# Altium PCB relay_matrix.PcbDoc (part 7 of 9)
Units mm, origin at the board's own origin, x right, y up, seen from the top; angles counter-clockwise.
Board outline 330 x 220 mm, 2 copper layers (Top Layer, Bottom Layer); 498 components, 345 nets, 2134 pads, 717 vias.
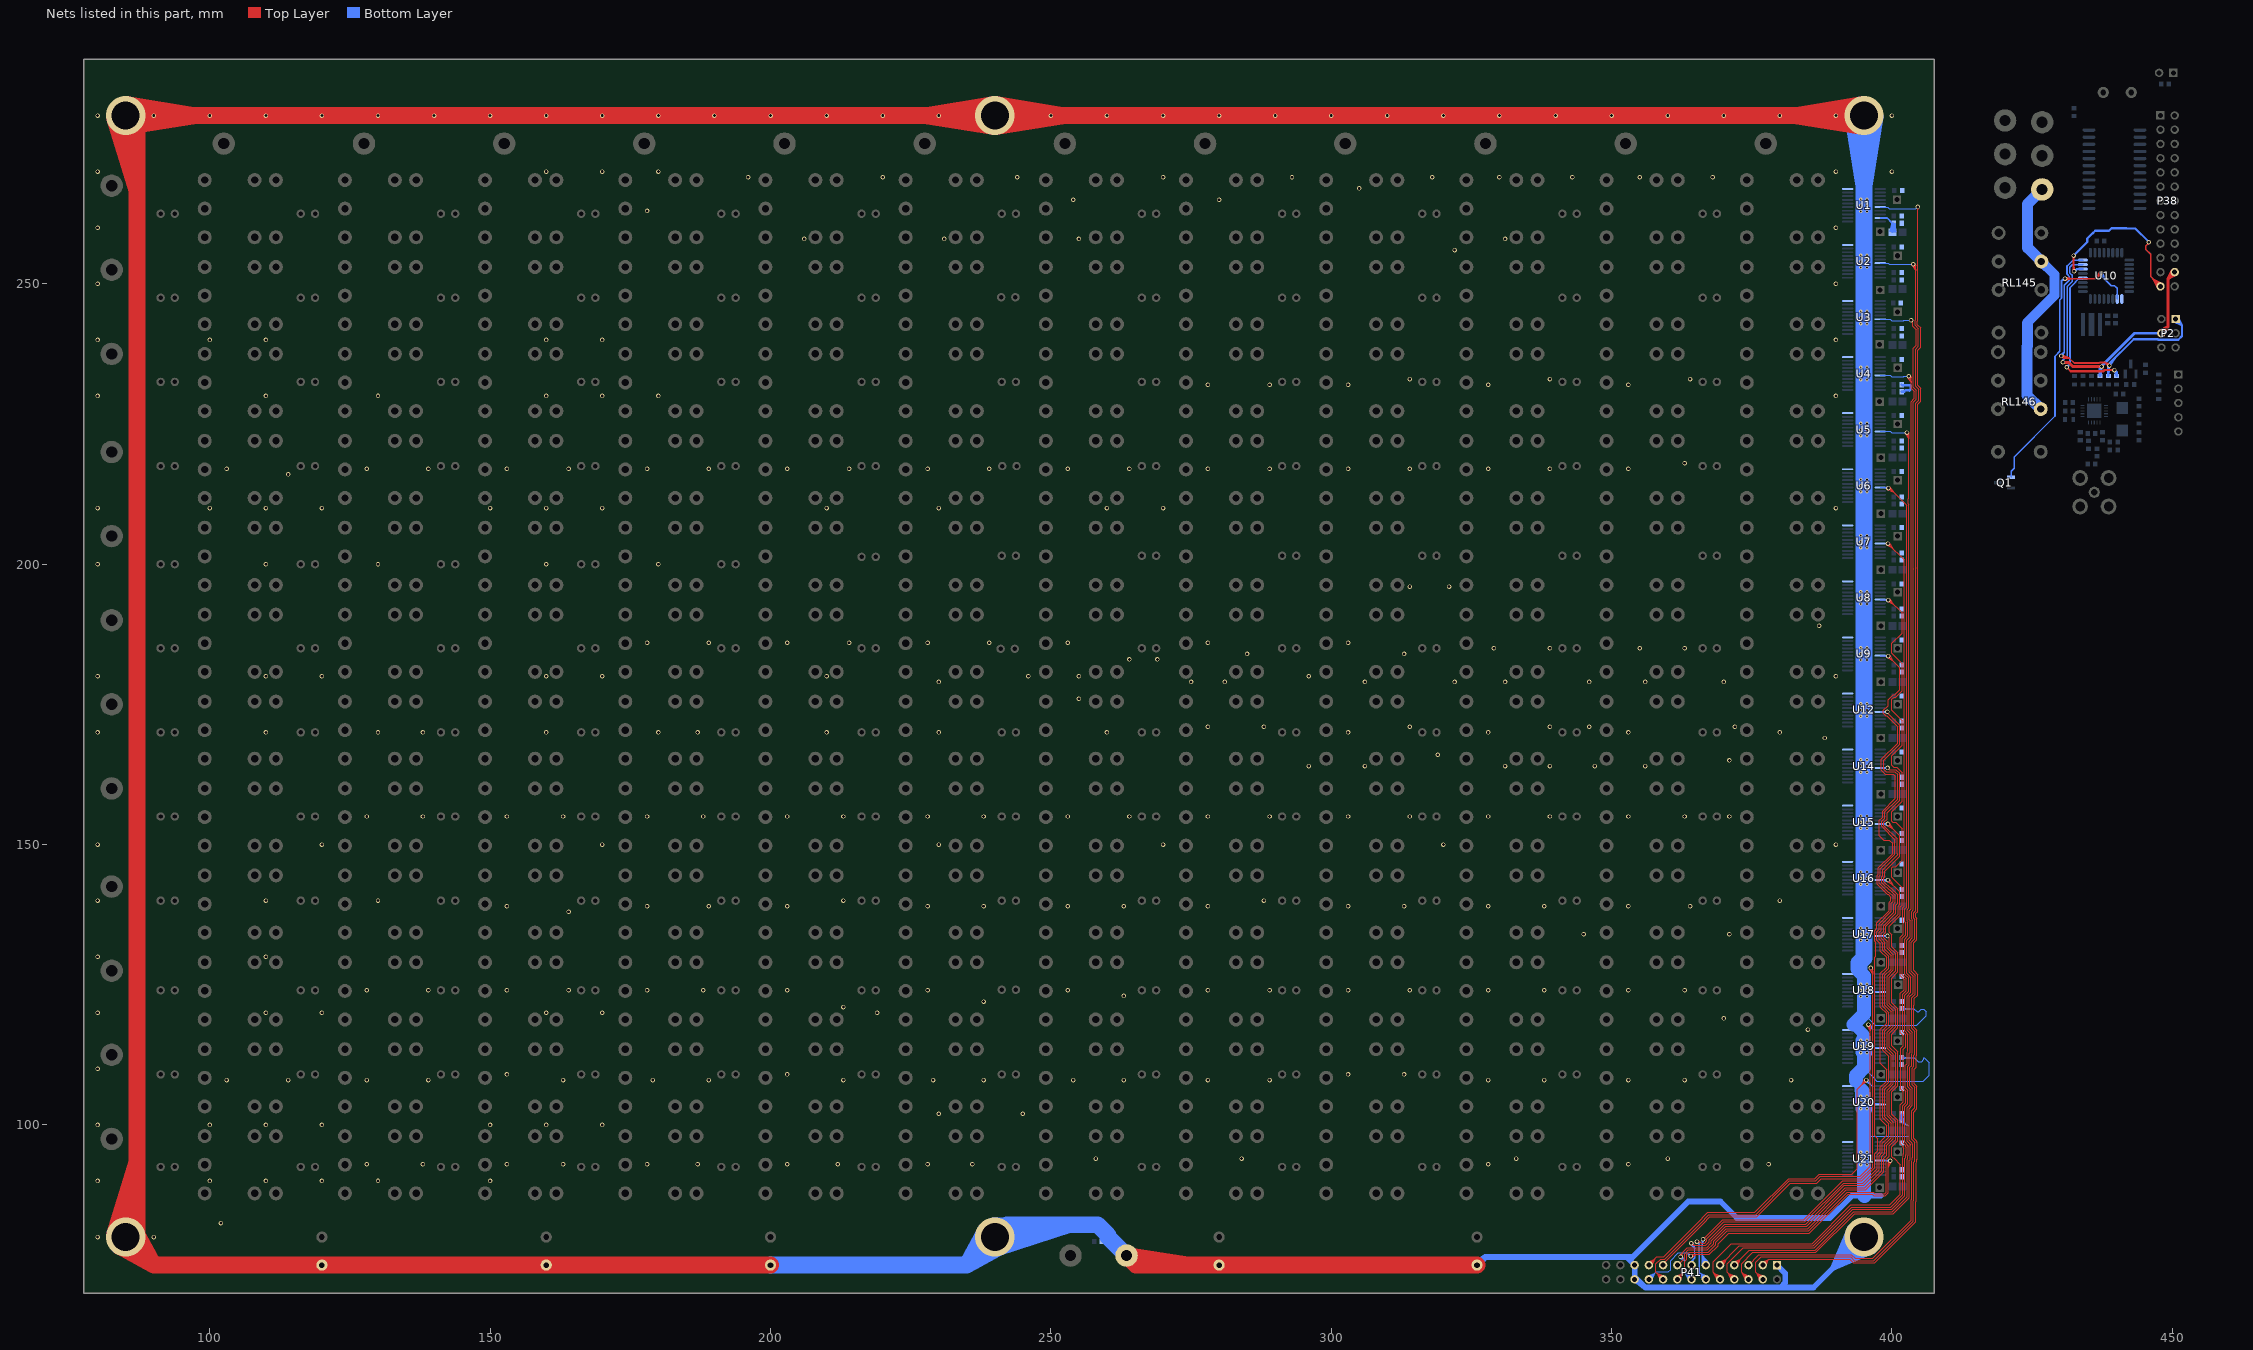
[diagram p7: the nets of this part, all layers, seen from the top]

## Via types
v1: diameter 0.8, hole 0.5, Top Layer to Bottom Layer, 477 vias
v2: diameter 0.8, hole 0.5, Top Layer to Bottom Layer, tented both sides, 122 vias
v3: diameter 0.6, hole 0.3, Top Layer to Bottom Layer, 112 vias
v4: diameter 7, hole 5, Top Layer to Bottom Layer, 6 vias

## Nets (pads, with @x,y where several pads share a name; then routed paths per layer and width w, separated by ;. In a path a pad name is that pad's centre, name@x,y a point inside that pad or via, vN(x,y) a via of type N, cw(c..) or ccw(c..) an arc to the next point about the centre after c; other vN are vias at no path point) (continued)
GND: C1.1 C2.1 C3.1 C4.1 C5.2 C6.1 C7.1 C8.1 C9.1 C10.2 C11.1 C12.2 C13.2 C14.2 C15.2 C24.1 C36.1 C37.1 C38.1 C39.1 C40.1 C41.1 C42.1 C43.1 C44.1 C45.1 C46.1 C47.1 C48.1 C49.1 C50.1 C51.1 C52.1 C53.1 C54.1 C55.1 C56.1 C57.1 C58.1 C59.1 C60.1 C61.1 C62.1 C63.1 C64.1 C65.1 C66.1 C67.1 C68.1 C69.1 C70.1 C71.1 C72.1 C73.1 C74.1 C75.1 C76.1 C77.1 C78.1 C79.1 J26.1 P41.1 P41.21 P41.22 U1.10 U1.21 U2.10 U2.21 U3.10 U3.21 U4.10 U4.21 U5.10 U5.21 U6.10 U6.21 U7.10 U7.21 U8.10 U8.21 U9.10 U9.21 U12.10 U12.21 U14.10 U14.21 U15.10 U15.21 U16.10 U16.21 U17.10 U17.21 U18.10 U18.21 U19.10 U19.21 U20.10 U20.21 U21.10 U21.21 | length 2169.8
  Top Layer w3: v4@83.049,80.438 87,93.472 ; v4@83.049,279.562 87,266.528 ; v4@83.8,78.4 90,75 ; v4@85.16,278.006 97.5,280 v4@85.16,281.994 ; v4@86.6,81.2 90,75 ; v4@86.995,79.852 87,93.472 ; v4@86.995,280.148 87,266.528 ; C13.2@200,75 C12.2@160,75 C10.2@120,75 90,75 ; v4@239.84,278.006 227.5,280 v4@239.84,281.994 ; v4@240.16,278.006 252.5,280 v4@240.16,281.994 ; 274.996,75 J26.1@263.5,76.7 265.2,75 C15.2@280,75 C14.2@326,75 ; v4@394.84,278.006 382.5,280 v4@394.84,281.994 ; v4(395,280) v4(240,280) v4(85,280) ; v4(85,80) 87,93.472 ; v4(85,80) 90,75 ; v4(85,80) 87,82 87,278 v4(85,280) ; v4(85,280) 87,266.528
  Bottom Layer w0.2: 395,97.9 395.05,97.95 398.874,97.95 398.924,98 402.9,98 ; 395,110.216 396.95,108.266 396.95,108.126 397.326,107.75 405.56,107.75 406.65,108.84 406.65,111.1 405.75,112 405.7,111.95 405.7,111.71 405.29,111.3 404.71,111.3 404.01,112 C69.1@401.7,112 ; 395,119.8 397,117.8 404.389,117.8 406.099,119.51 406.099,120.199 ; C74.1@401.402,100.767 C76.1@401.44,101.786 ; C76.1@401.403,101.905 C74.1@401.7,100.95 ; C74.1@401.424,100.918 C76.1@401.96,101.786 ; C74.1@401.53,100.453 402.45,100 ; C74.1@401.7,100.7 402.45,100 ; C76.1@401.7,101.95 C74.1@401.7,100.95 ; C76.1@401.7,102 C74.1@401.7,100.75 402.45,100 ; C64.1@401.7,120.75 403.859,120.75 404.469,120.14 404.729,120.14 405.189,120.6 405.7,120.6 406.1,120.2 ; C69.1@401.745,111.703 402.7,112 C69.1@401.745,112.297 ; C64.1@401.745,120.453 402.7,120.75 C64.1@401.745,121.047 ; C74.1@401.935,100.887 402.45,100 ; C74.1@401.976,100.918 C76.1@401.44,101.786 ; C76.1@401.997,101.905 C74.1@401.7,100.95 ; C74.1@401.998,100.767 C76.1@401.96,101.786 ; 402.9,99.824 402.724,100 402.45,100 ; C76.1@401.44,101.786 C74.1@401.7,100.8 ; C74.1@401.7,100.8 C76.1@401.7,101.8 ; C74.1@401.7,100.8 C76.1@401.96,101.786 ; C74.1@401.7,100.8 C76.1@401.7,101.8 ; C76.1@401.7,101.8 401.997,100.845 C76.1@401.7,101.8 ; C76.1@401.7,101.8 401.403,100.845 C76.1@401.7,101.8
  Bottom Layer w0.4: C4.1@401.7,230.8 402.419,231 ; C9.1@401.7,231.95 403.3,231.9 ; C9.1@401.7,232 401.8,231.9 403.3,231.9 ; 402.169,230.75 C4.1@401.7,230.75 402.169,230.75 ; 402.169,230.75 402.419,231 ; 402.419,231 403.081,231 403.141,230.941 403.3,231.1 403.3,231.9
  Bottom Layer w1: C14.2@325.692,75.394 327.45,76.45 ; C14.2@326,75 327.45,76.45 ; C14.2@326.394,74.692 327.45,76.45 ; P41.1@379.5,75 380.95,73.55 380.95,71.859 380.101,71.01 ; v4@392.517,81.683 389.379,74.379 ; v4@393.419,81.225 389.379,74.379 ; v4@394.25,80.661 389.379,74.379 ; v4(395,80) 386.01,71.01 380.101,71.01 ; v4@395.661,79.25 389.379,74.379 ; v4@396.225,78.419 389.379,74.379 ; v4@396.683,77.517 389.379,74.379 ; 398,87.35 395.1,87.35 392.85,87.35 388.9,83.4 372.348,83.4 369.41,86.338 363.662,86.338 353.773,76.45 352.65,76.45 ; 327.45,76.45 352.65,76.45 ; 352.65,76.45 P41.21@354.1,75 ; 352.65,76.45 P41.21@354.1,75 ; P41.22@354.1,72.46 356.039,71.01 ; P41.22@354.1,72.46 P41.21@354.1,75 ; P41.22@354.1,72.46 354.589,72.46 356.039,71.01 ; 356.039,71.01 380.101,71.01
  Bottom Layer w2: 393.1,117.9 393.35,117.65 393.495,117.65 395,116.145 ; 394.3,106.8 v3(394.45,102.9) ; 394.3,106.8 v3(394.45,102.9) ; 394.3,106.8 v3(394.45,102.9) ; 394.3,106.8 v3(394.45,104) ; 394.3,106.8 v3(394.45,104) ; 394.3,106.8 v3(394.45,104) ; 394.3,106.8 v3(394.45,105.1) ; 394.3,106.8 v3(394.45,105.1) ; 394.3,106.8 U20.21@395,104.65 ; 394.3,106.8 395,106.1 ; v3(394.45,102.9) v3(394.45,104) ; v3(394.45,102.9) v3(394.45,104) ; v3(394.45,102.9) 395,106.1 ; v3(394.45,102.9) v3(394.45,104) ; v3(394.45,102.9) 395,106.1 ; v3(394.45,102.9) v3(394.45,104) ; v3(394.45,102.9) v3(394.45,104) ; v3(394.45,102.9) 395,106.1 ; v3(394.45,102.9) v3(394.45,104) ; v3(394.45,102.9) 395,106.1 ; v3(394.45,102.9) v3(394.45,104) ; v3(394.45,102.9) v3(394.45,104) ; v3(394.45,102.9) 395,106.1 ; v3(394.45,102.9) v3(394.45,104) ; v3(394.45,102.9) 395,106.1 ; v3(394.45,102.9) v3(394.45,104) ; v3(394.45,102.9) 395,106.1 ; v3(394.45,102.9) U20.21@395,104 ; v3(394.45,102.9) 395,106.1 ; v3(394.45,102.9) U20.21@395,104 ; v3(394.45,102.9) v3(395.55,102.9) ; v3(394.45,102.9) v3(394.45,104) ; v3(394.45,102.9) v3(395.55,102.9) ; v3(394.45,102.9) U20.21@395,104 ; v3(394.45,102.9) v3(395.55,102.9) ; v3(394.45,102.9) v3(394.45,104) ; v3(394.45,102.9) v3(395.55,102.9) ; v3(394.45,102.9) U20.21@395,104 ; v3(394.45,102.9) v3(395.55,102.9) ; v3(394.45,102.9) v3(394.45,105.1) ; v3(394.45,102.9) v3(395.55,102.9) ; v3(394.45,102.9) U20.21@395,104 ; v3(394.45,102.9) v3(395.55,102.9) ; v3(394.45,102.9) v3(394.45,104) ; v3(394.45,102.9) U20.21@395,104.65 ; v3(394.45,102.9) v3(394.45,104) ; v3(394.45,102.9) U20.21@395,104.65 ; v3(394.45,102.9) v3(394.45,104) ; v3(394.45,102.9) U20.21@395,104.65 ; v3(394.45,102.9) v3(394.45,104) ; v3(394.45,102.9) U20.21@395,104 ; v3(394.45,102.9) v3(394.45,104) ; v3(394.45,102.9) U20.21@395,104.65 ; v3(394.45,102.9) v3(394.45,104) ; v3(394.45,102.9) U20.21@395,104.65 ; v3(394.45,102.9) v3(394.45,104) ; v3(394.45,102.9) U20.21@395,104.65 ; v3(394.45,102.9) v3(394.45,104) ; v3(394.45,102.9) U20.21@395,104 ; v3(394.45,102.9) v3(394.45,105.1) ; v3(394.45,102.9) U20.21@395,104 ; v3(394.45,104) v3(395.55,102.9) ; v3(394.45,104) v3(395.55,102.9) ; v3(394.45,104) v3(394.45,105.1) ; v3(394.45,104) v3(394.45,105.1) ; v3(394.45,104) 395,106.1 ; v3(394.45,104) v3(394.45,105.1) ; v3(394.45,104) 395,106.1 ; v3(394.45,104) v3(394.45,105.1) ; v3(394.45,104) v3(394.45,105.1) ; v3(394.45,104) 395,106.1 ; v3(394.45,104) v3(394.45,105.1) ; v3(394.45,104) 395,106.1 ; v3(394.45,104) U20.21@395,104.65 ; v3(394.45,104) U20.21@395,104.65 ; v3(394.45,104) 395,106.1 ; v3(394.45,104) U20.21@395,104.65 ; v3(394.45,104) 395,106.1 ; v3(394.45,104) U20.21@395,104 ; v3(394.45,104) 395,106.1 ; v3(394.45,104) v3(394.45,105.1) ; v3(394.45,104) U20.21@395,104.65 ; v3(394.45,104) v3(394.45,105.1) ; v3(394.45,104) U20.21@395,104.65 ; v3(394.45,104) v3(394.45,105.1) ; v3(394.45,104) U20.21@395,104.65 ; v3(394.45,104) v3(394.45,105.1) ; v3(394.45,104) U20.21@395,104 ; v3(394.45,105.1) v3(395.55,102.9) ; v3(394.45,105.1) U20.21@395,104.65 ; v3(394.45,105.1) U20.21@395,104.65 ; v3(394.45,105.1) 395,106.1 ; v3(394.45,105.1) U20.21@395,104.65 ; v3(394.45,105.1) 395,106.1 ; v3(394.45,105.1) 395,106.1 ; v3(394.45,105.1) U20.21@395,104 ; v3(394.45,105.1) 395,106.1 ; v3(394.45,112.9) v3(394.45,115.1) ; v3(394.45,112.9) v3(394.45,115.1) ; v3(394.45,112.9) v3(394.45,114) ; v3(394.45,112.9) v3(394.45,114) ; v3(394.45,112.9) v3(394.45,114) ; v3(394.45,112.9) v3(394.45,114) ; v3(394.45,112.9) v3(395.55,112.9) ; v3(394.45,112.9) v3(395.55,112.9) ; v3(394.45,112.9) U19.21@395,114 ; v3(394.45,112.9) 395,116.145 ; v3(394.45,114) v3(394.45,115.1) ; v3(394.45,114) v3(394.45,115.1) ; v3(394.45,114) v3(394.45,115.1) ; v3(394.45,114) v3(394.45,115.1) ; v3(394.45,114) v3(394.45,115.1) ; v3(394.45,114) v3(394.45,115.1) ; v3(394.45,114) v3(394.45,115.1) ; v3(394.45,114) v3(394.45,115.1) ; v3(394.45,114) v3(394.45,115.1) ; v3(394.45,114) v3(394.45,115.1) ; v3(394.45,114) v3(394.45,115.1) ; v3(394.45,114) v3(394.45,115.1) ; v3(394.45,114) v3(394.45,115.1) ; v3(394.45,114) v3(394.45,115.1) ; v3(394.45,114) U19.21@395,114 ; v3(394.45,114) v3(395.55,112.9) ; v3(394.45,114) U19.21@395,114 ; v3(394.45,114) v3(395.55,112.9) ; v3(394.45,114) U19.21@395,114 ; v3(394.45,114) 395,116.145 ; v3(394.45,114) U19.21@395,114.65 ; v3(394.45,114) 395,116.145 ; v3(394.45,114) U19.21@395,114.65 ; v3(394.45,114) 395,116.145 ; v3(394.45,114) U19.21@395,114 ; v3(394.45,114) 395,116.145 ; v3(394.45,114) v3(395.55,112.9) ; v3(394.45,114) v3(395.55,112.9) ; v3(394.45,115.1) U19.21@395,114 ; v3(394.45,115.1) v3(395.55,112.9) ; v3(394.45,115.1) U19.21@395,114 ; v3(394.45,115.1) v3(395.55,112.9) ; v3(394.45,115.1) U19.21@395,114 ; v3(394.45,115.1) 395,116.145 ; v3(394.45,115.1) U19.21@395,114.65 ; v3(394.45,115.1) 395,116.145 ; v3(394.45,115.1) U19.21@395,114.65 ; v3(394.45,115.1) 395,116.145 ; v3(394.45,115.1) U19.21@395,114 ; v3(394.45,115.1) 395,116.145 ; v3(394.45,115.1) v3(395.55,112.9) ; v3(394.45,115.1) v3(395.55,112.9) ; v3(394.45,115.1) U19.21@395,114 ; v3(394.45,115.1) v3(395.55,112.9) ; v3(394.45,115.1) U19.21@395,114 ; v3(394.45,115.1) v3(395.55,112.9) ; v3(394.45,115.1) U19.21@395,114 ; v3(394.45,115.1) 395,116.145 ; v3(394.45,115.1) U19.21@395,114.65 ; v3(394.45,115.1) 395,116.145 ; v3(394.45,115.1) U19.21@395,114.65 ; v3(394.45,115.1) 395,116.145 ; v3(394.45,115.1) U19.21@395,114 ; v3(394.45,115.1) 395,116.145 ; v3(394.45,115.1) 395,116.145 ; U20.21@395,104 v3(395.55,102.9) ; U20.21@395,104 v3(395.55,102.9) ; U20.21@395,104 v3(395.55,102.9) ; U20.21@395,104 v3(395.55,102.9) ; U20.21@395,104 395,106.1 ; U20.21@395,104.65 395,106.1 ; U20.21@395,104.65 395,106.1 ; U19.21@395,114 v3(395.55,112.9) ; U19.21@395,114 v3(395.55,112.9) ; U19.21@395,114 395,116.145 ; U19.21@395,114.65 395,116.145 ; U19.21@395,114.65 395,116.145
  Bottom Layer w2.5: 393.1,117.9 395,119.8 ; 393.55,107.9 393.55,108.766 395,110.216 ; 394.099,127.9 394.099,127.483 395,126.583 ; U21.21@395,93.35 395,87.45 ; U21.21@395,94.65 395,97.9 ; U20.21@395,103.35 395,97.9 ; U20.21@395,104 395,97.9 ; U19.21@395,113.35 395,110.216 ; U19.21@395,114 395,110.216 ; U18.21@395,123.35 395,119.8 ; 395.1,87.35 395,87.45 ; 395,87.45 U21.21@395,94 395,97.9 ; 395,119.8 395,126.583 ; 395,126.583 395,124.65 395,126.583
  Bottom Layer w3: C13.2@200,75 235,75 ; v4@238.4,81.2 235,75 ; v4@239.822,81.992 253.404,82.2 ; v4@240.468,78.056 253.404,82.2 ; v4@241.2,78.4 235,75 ; v4@393.006,279.84 395,267.5 v4@396.994,279.84 ; 394.099,127.9 394.099,128.87 395,129.77 ; U17.21@395,133.15 395,143.35 395,134.65 U16.21@395,144.85 ; U17.21@395,133.35 395,129.77 ; U16.21@395,143.15 395,153.35 395,144.65 U15.21@395,154 ; U1.21@395,264.65 395,274.85 ; v4(395,280) U1.21@395,264 ; 235,75 v4(240,80) ; v4(240,80) 253.404,82.2 ; v4(240,80) 242.2,82.2 258.325,82.2 260.2,80.325 260.2,80 ; 260.2,80 J26.1@263.5,76.7 260.2,80 ; 395,129.77 U15.21@395,154 ; U15.21@395,154 395,163.35 395,154.65 U14.21@395,164 ; U15.21@395,154 U14.21@395,164 ; U14.21@395,164 395,173.35 395,164.65 U12.21@395,174 ; U14.21@395,164 U12.21@395,174 ; U12.21@395,174 395,183.35 395,174.65 U9.21@395,184 ; U12.21@395,174 U9.21@395,184 ; U9.21@395,184 395,193.35 395,184.65 U8.21@395,194 ; U9.21@395,184 U8.21@395,194 ; U8.21@395,194 395,203.35 395,194.65 U7.21@395,204 ; U8.21@395,194 U7.21@395,204 ; U7.21@395,204 395,213.35 395,204.65 U6.21@395,214 ; U7.21@395,204 U6.21@395,214 ; U6.21@395,214 395,223.35 395,214.65 U5.21@395,224 ; U6.21@395,214 U5.21@395,224 ; U5.21@395,224 395,233.35 395,224.65 U4.21@395,234 ; U5.21@395,224 U4.21@395,234 ; U4.21@395,234 395,243.35 395,234.65 U3.21@395,244 ; U4.21@395,234 U3.21@395,244 ; U3.21@395,244 395,253.35 395,244.65 U2.21@395,254 ; U3.21@395,244 U2.21@395,254 ; U2.21@395,254 395,263.35 395,254.65 U1.21@395,264 ; U2.21@395,254 U1.21@395,264
  other v1: 102,82.5 128,93 138,93 153,93 163,93 178,93 187,93 203,93 212,93 228,93 236,93 328,93 353,93 378,93 258,94 284,94 333,94 360,94 230,102 245,102 103,108 114,108 128,108 139,108 163,108 179,108 189,108 213,108 229,108 238,108 254,108 263,108 278,108 289,108 328,108 338,108 353,108 363,108 382,108 153,109 203,109 303,109 313,109 385,117 370,119 219,120 213,121 238,122 263,123 128,124 139,124 153,124 164,124 178,124 188,124 203,124 228,124 253,124 278,124 289,124 303,124 314,124 328,124 338,124 353,124 363,124 345,134 371,134 164,138 153,139 178,139 189,139 203,139 228,139 238,139 253,139 263,139 278,139 303,139 313,139 328,139 338,139 353,139 364,139 213,140 288,140 128,155 138,155 153,155 163,155 178,155 188,155 203,155 213,155 228,155 238,155 253,155 264,155 278,155 289,155 303,155 314,155 328,155 339,155 353,155 363,155 371,155 296,164 306,164 331,164 339,164 347,164 356,164 371,165 319,166 388,169 138,170 187,170 303,170 328,170 353,170 278,171 288,171 314,171 339,171 346,171 372,171 255,176 230,179 275,179 281,179 306,179 322,179 331,179 346,179 356,179 370,179 246,180 255,180 296,180 264,183 269,183 285,184 313,184 329,185 339,185 355,185 363,185 178,186 189,186 203,186 214,186 228,186 239,186 253,186 278,186 303,186 387,189 314,196 321,196 114,216 103,217 128,217 139,217 153,217 164,217 178,217 189,217 203,217 214,217 228,217 239,217 253,217 264,217 278,217 289,217 303,217 314,217 328,217 339,217 353,217 363,218 278,232 289,232 303,232 328,232 353,232 314,233 339,233 364,233 322,256 206,258 231,258 255,258 331,258 178,263 254,265 280,265 305,267 196,269 220,269 244,269 270,269 293,269 318,269 330,269 343,269 355,269 368,269
  other v2: 80,80 90,80 80,90 100,90 110,90 120,90 130,90 150,90 80,100 100,100 110,100 120,100 150,100 160,100 170,100 80,110 80,120 110,120 120,120 160,120 170,120 80,130 110,130 80,140 110,140 130,140 380,140 80,150 120,150 170,150 230,150 270,150 320,150 390,150 80,170 110,170 130,170 160,170 180,170 210,170 230,170 260,170 380,170 80,180 110,180 120,180 160,180 170,180 210,180 390,180 80,200 110,200 130,200 160,200 180,200 80,210 100,210 110,210 120,210 150,210 160,210 170,210 210,210 230,210 260,210 270,210 390,210 80,230 110,230 130,230 160,230 170,230 180,230 390,230 80,240 100,240 110,240 160,240 170,240 390,240 80,250 390,250 80,260 390,260 80,270 160,270 170,270 180,270 390,270 400,270 80,280 90,280 100,280 110,280 120,280 130,280 140,280 150,280 160,280 170,280 180,280 190,280 200,280 210,280 220,280 230,280 250,280 260,280 270,280 280,280 290,280 300,280 310,280 320,280 330,280 340,280 350,280 360,280 370,280 380,280 390,280 400,280
  other v3: 394.45,92.9 395.55,92.9 394.45,94 395.55,94 394.45,95.1 395.55,95.1 395.55,104 395.55,105.1 395.55,114 395.55,115.1 394.45,122.9 395.55,122.9 394.45,124 395.55,124 394.45,125.1 395.55,125.1 394.45,132.9 395.55,132.9 394.45,134 395.55,134 394.45,135.1 395.55,135.1 394.45,142.9 395.55,142.9 394.45,144 395.55,144 394.45,145.1 395.55,145.1 394.45,152.9 395.55,152.9 394.45,154 395.55,154 394.45,155.1 395.55,155.1 394.45,162.9 395.55,162.9 394.45,164 395.55,164 394.45,165.1 395.55,165.1 394.45,172.9 395.55,172.9 394.45,174 395.55,174 394.45,175.1 395.55,175.1 394.45,182.9 395.55,182.9 394.45,184 395.55,184 394.45,185.1 395.55,185.1 394.45,192.9 395.55,192.9 394.45,194 395.55,194 394.45,195.1 395.55,195.1 394.45,202.9 395.55,202.9 394.45,204 395.55,204 394.45,205.1 395.55,205.1 394.45,212.9 395.55,212.9 394.45,214 395.55,214 394.45,215.1 395.55,215.1 394.45,222.9 395.55,222.9 394.45,224 395.55,224 394.45,225.1 395.55,225.1 394.45,232.9 395.55,232.9 394.45,234 395.55,234 394.45,235.1 395.55,235.1 394.45,242.9 395.55,242.9 394.45,244 395.55,244 394.45,245.1 395.55,245.1 394.45,252.9 395.55,252.9 394.45,254 395.55,254 394.45,255.1 395.55,255.1 394.45,262.9 395.55,262.9 394.45,264 395.55,264 394.45,265.1 395.55,265.1
GSCLK: U10.1
"HEADPHONE DST": J28.1 RL145.5 RL146.3 | length 52.3
  Bottom Layer w1.8: 424.175,242.986 424.175,243.127 428.988,247.94 428.988,249.887 428.988,251.105 428.988,251.643 ; 428.988,251.643 RL145.5@426.638,253.993 428.988,251.643
  Bottom Layer w2: 424.175,242.986 424.175,238.939 424.075,238.839 424.075,230.114 RL146.3@426.525,227.664 ; RL145.5@426.638,253.993 424.188,256.443 424.188,264.237 ; 424.188,264.237 J28.1@426.775,266.824 424.188,264.237
IRQ: R169.2 U10.12 | length 31.3
  Top Layer w0.4: v1(439.675,234.624) 437.907,234.624 437.707,234.424 431.875,234.424 ; 431.875,234.424 v1(431.175,235.124) 431.875,234.424
  Bottom Layer w0.3: v1@431.029,235.326 431.738,235.687 ; v1(431.175,235.124) 431.738,235.687 ; v1@431.378,234.977 431.738,235.687 ; U10.12@434.05,251.024 433.875,250.849 433.192,250.849 432.725,250.383 432.725,250.298 431.738,249.31 431.738,235.687
  Bottom Layer w0.4: v1(439.675,234.624) R169.2@440.075,233.574 440.075,234.224 v1(439.675,234.624)
LED_EN: P38.25 U10.14 | length 41.3
  Top Layer w0.3: v1(445.775,257.424) 445.775,257.238 445.272,256.735 445.272,256.113 446.125,255.26 446.125,251.294 P38.25@447.875,249.544 ; P38.25@447.391,249.19 446.489,250.93 ; P38.25@447.648,249.349 446.489,250.93 ; P38.25@448.071,249.772 446.489,250.93 ; P38.25@448.23,250.028 446.489,250.93
  Top Layer w0.4: 432.375,253.836 v1(432.475,252.224) 432.375,252.324 v1(432.375,255.024)
  Bottom Layer w0.4: v1(432.375,255.024) 434.825,257.474 434.825,258.097 435.703,258.974 435.748,258.974 436.248,259.474 438.687,259.474 439.137,259.924 441.799,259.924 441.884,259.839 443.438,259.839 445.775,257.502 v1(445.775,257.424) ; U10.14@433.45,252.624 432.975,252.624 ; U10.14@434.05,252.624 432.975,252.624 ; 432.975,252.624 v1(432.475,252.224) 432.475,252.124 432.975,252.624
MISO: P2.1 R168.2 U10.16 | length 69.4
  Top Layer w0.3: v1@430.135,236.877 431.547,236.774 ; v1@430.258,237.36 431.547,236.774 ; v1@438.602,235.244 438.025,235.974 ; v1@438.895,235.644 438.025,235.974 ; 431.547,236.774 v1(430.175,237.124) 430.525,236.774 431.576,236.774 432.476,235.874 436.965,235.874 437.065,235.974 438.025,235.974 ; 438.025,235.974 v1(438.775,235.424) 438.675,235.324 438.025,235.974
  Bottom Layer w0.3: v1@430.01,237.312 430.738,237.787 ; v1@430.387,236.991 430.738,237.787 ; 432.276,254.224 U10.16@433.45,254.224 ; U10.16@434.05,254.224 432.268,254.224 431.225,253.181 431.225,251.706 431.626,251.306 431.626,250.612 430.738,249.725 430.738,237.787 ; 430.738,237.787 v1(430.175,237.124) 430.175,237.224 430.738,237.787
  Bottom Layer w0.4: R168.2@438.575,233.574 v1@438.575,235.424 ; R168.2@438.575,233.794 v1(438.775,235.424) 439.855,236.884 ; v1@438.585,235.614 443.095,240.124 447.379,240.124 447.469,240.034 451.052,240.034 451.725,240.708 451.725,242.574 ; P2.1@450.258,243.275 451.725,242.574 ; P2.1@451.025,244.042 451.725,242.574 ; 451.725,242.574 P2.1@450.575,243.724 451.725,242.574
MODE: Q1.3 U10.2 | length 66
  Top Layer w0.3: v1(430.876,250.923) 436.274,250.923 ; v1@430.9,250.674 432.176,250.923 v1@430.9,251.172 ; v1@437.084,252.084 436.274,250.923 ; v1(437.275,251.924) 436.274,250.923 ; v1@437.436,251.732 436.274,250.923
  Bottom Layer w0.3: Q1.3@421.25,215.474 421.25,216.55 421.775,217.075 421.775,219.124 429.075,226.424 429.075,237.085 429.938,237.947 429.938,247.122 430.238,247.422 430.238,250.587 ; v1@430.723,251.121 430.238,250.587 ; v1@430.953,250.685 430.238,250.587 ; v1@437.081,251.766 438.144,250.655 ; v1@437.493,252.048 438.144,250.655 ; U10.2@440.175,247.299 440.175,249.185 439.686,249.674 439.125,249.674 437.275,251.524 v1(437.275,251.924) 438.144,250.655 ; U10.2@440.175,247.899 440.175,249.074 ; 430.238,250.587 v1(430.876,250.923) 430.574,250.923 430.238,250.587
MOSI: P2.4 P38.24 R167.2 U10.15 | length 67
  Top Layer w0.5: 435.474,235.274 v1(437.375,235.224) 437.525,235.224 437.575,235.274 432.228,235.274 431.528,235.974 ; P2.4@447.738,241.586 449.235,242.384 ; P2.4@448.035,241.184 449.235,242.384 ; P2.4@448.437,240.886 449.235,242.384 ; P38.24@450.014,252.382 449.215,250.884 ; P38.24@450.415,252.084 449.215,250.884 ; P38.24@450.713,251.682 449.215,250.884 ; 431.528,235.974 v1(430.475,236.024) 430.525,235.974 431.528,235.974 ; 449.215,250.884 449.215,249.047 449.235,249.027 449.235,242.384
  Bottom Layer w0.3: v1(430.475,236.024) 430.475,236.363 431.238,237.126 431.238,249.517 432.126,250.405 432.126,251.513 431.725,251.913 431.725,252.974 432.175,253.424 U10.15@434.05,253.424 ; 432.276,253.424 U10.15@433.45,253.424
  Bottom Layer w0.5: v1@437.075,235.024 R167.2@437.075,233.574 v1(437.375,235.224) ; v1@437.325,235.274 443.235,241.184 P2.4@448.035,241.184
NCS0: P41.3 U1.16 | length 233.3
  Top Layer w0.2: P41.3@376.612,75.549 378.01,76.05 ; P41.3@376.694,75.363 378.01,76.05 ; P41.3@376.799,75.191 378.01,76.05 ; P41.3@376.96,75 378.01,76.05 ; P41.3@377.151,74.839 378.01,76.05 ; P41.3@377.323,74.734 378.01,76.05 ; P41.3@377.509,74.652 378.01,76.05 ; 404.3,92.766 404.3,92.59 ; v1@404.312,263.611 404.599,263.189 ; 404.599,125.432 404.599,124.431 404.55,124.381 404.55,123.132 403.967,122.549 403.967,121.39 403.899,121.322 403.899,117.419 404.45,116.868 404.45,112.44 404.3,112.29 404.3,110.256 404,109.956 404,107.318 404.45,106.868 404.45,102.841 403.899,102.29 403.899,97.619 404.45,97.068 404.45,96.919 404.5,96.869 404.5,93.881 404.45,93.831 404.45,93.332 404.3,93.182 404.3,92.59 ; 404.599,169.474 404.599,138.022 404.279,137.702 404.279,137.039 404.45,136.868 404.45,133.04 403.85,132.44 403.85,127.568 404.6,126.818 404.6,125.433 ; 404.599,172.61 404.599,198.104 404.626,198.131 404.626,199.456 404.599,199.484 404.599,207.84 ; 404.6,207.84 404.6,210.16 404.599,228.505 405.15,229.056 405.15,231.344 404.599,231.895 404.599,238.171 405.1,238.672 405.1,242.16 404.525,242.735 404.525,243.315 404.599,243.389 404.599,256.745 404.549,256.795 404.549,263.139 404.599,263.189 ; 404.6,169.475 404.6,172.609 ; v1@404.886,263.611 404.599,263.189 ; 378.01,76.05 392.445,76.05 393.095,75.4 396.905,75.4 404.2,82.695 404.2,86.297 404.3,86.397 404.3,92.59 ; 404.599,263.189 v1(404.599,263.699) 404.599,263.189
  Bottom Layer w0.2: U1.16@397.9,263.675 399.225,263.675 ; U1.16@398.725,263.675 399.225,263.675 ; v1(404.599,263.699) 404.25,263.35 399.55,263.35 399.225,263.675
NCS1: P41.4 U2.16 | length 232.7
  Top Layer w0.2: P41.4@376.419,72.099 375.786,73.634 ; P41.4@376.602,72.188 375.786,73.634 ; P41.4@376.77,72.297 375.786,73.634 ; P41.4@376.96,72.46 375.7,73.72 375.7,75.5 376.65,76.45 392.61,76.45 393.26,75.8 396.74,75.8 403.8,82.86 403.8,86.463 403.9,86.563 403.9,93.347 404.05,93.497 404.05,93.997 404.1,94.047 404.1,96.703 404.05,96.753 404.05,96.903 403.499,97.453 403.499,102.5 404.05,103.051 404.05,106.703 403.6,107.153 403.6,110.121 403.9,110.421 403.9,112.456 404.05,112.606 404.05,116.703 403.499,117.253 403.499,121.487 403.567,121.556 403.567,122.715 404.15,123.297 404.15,126.703 403.45,127.403 403.45,132.606 404.05,133.206 404.05,136.703 403.879,136.873 403.879,137.867 404.199,138.187 404.199,169.639 ; P41.4@377.123,72.65 375.786,73.634 ; P41.4@377.232,72.818 375.786,73.634 ; P41.4@377.321,73.001 375.786,73.634 ; v1@403.53,253.367 404.199,252.345 ; v1@404.093,253.562 404.199,252.345 ; 404.199,172.444 404.199,198.269 404.226,198.297 404.226,199.291 404.199,199.318 404.199,208.005 404.2,209.994 404.199,228.671 404.75,229.222 404.75,231.178 404.199,231.729 404.199,238.336 404.7,238.837 404.7,241.994 404.125,242.569 404.125,243.481 404.199,243.555 404.199,253.201 ; 404.2,169.64 404.2,172.443 ; v1(403.799,253.499) 404.199,252.345 ; v1(403.799,253.499) 404.199,253.201 ; v1(403.799,253.499) 404.199,253.201 ; v1(403.799,253.499) 403.901,253.499 404.199,253.201 ; 404.199,253.201 403.7,253.216 404.199,253.201 ; 404.199,253.201 404.043,253.675 404.199,253.201
  Bottom Layer w0.2: U2.16@397.9,253.675 399.325,253.675 ; U2.16@398.725,253.675 399.325,253.675 ; v1(403.799,253.499) 403.851,253.499 403.9,253.45 399.55,253.45 399.325,253.675
NCS2: P41.5 U3.16 | length 203.1
  Top Layer w0.2: P41.5@374.42,75 376.27,76.85 384.83,76.85 392.776,76.85 393.426,76.2 396.574,76.2 403.4,83.026 403.4,86.628 403.5,86.728 403.5,93.513 403.65,93.663 403.65,94.163 403.7,94.213 403.7,96.537 403.65,96.587 403.65,96.737 403.099,97.288 403.099,102.912 403.65,103.463 403.65,106.537 403.2,106.987 403.2,110.287 403.5,110.587 403.5,112.621 403.65,112.771 403.65,116.537 403.099,117.088 403.099,122.812 403.75,123.463 403.75,126.537 403.05,127.237 403.05,132.772 403.65,133.372 403.65,136.537 403.479,136.708 403.479,138.033 403.799,138.353 403.799,169.805 ; v1(403.399,243.5) 403.67,243.5 403.725,243.444 403.725,242.404 404.3,241.829 404.3,239.003 403.799,238.502 403.799,231.564 404.35,231.013 404.35,229.387 403.799,228.836 403.799,209.829 ; 403.799,172.278 403.799,198.435 403.826,198.462 403.826,199.125 403.799,199.152 403.799,208.171 ; 403.8,208.172 403.8,209.828 ; 403.8,169.806 403.8,172.278
  Bottom Layer w0.2: U3.16@397.9,243.675 399.694,243.675 399.919,243.45 402.081,243.45 402.106,243.475 403.375,243.475 v1(403.399,243.5) ; U3.16@398.725,243.675 399.5,243.675
NCS3: P41.6 U4.16 | length 209.9
  Top Layer w0.2: P41.6@373.879,72.099 373.246,73.634 ; P41.6@374.062,72.188 373.246,73.634 ; P41.6@374.23,72.297 373.246,73.634 ; P41.6@374.42,72.46 373.2,73.68 373.2,75.265 375.185,77.25 386.444,77.25 393.344,84.15 400.244,84.15 403.1,87.006 403.1,93.679 403.25,93.829 403.25,94.328 403.3,94.378 403.3,96.372 403.25,96.422 403.25,96.571 402.699,97.122 402.699,103.078 403.25,103.629 403.25,106.371 402.8,106.821 402.8,110.453 403.1,110.753 403.1,112.787 403.25,112.937 403.25,116.371 402.699,116.922 402.699,122.978 403.35,123.629 403.35,126.371 402.65,127.071 402.65,132.938 403.25,133.538 403.25,136.371 403.079,136.542 403.079,138.199 403.399,138.519 403.399,169.971 ; P41.6@374.583,72.65 373.246,73.634 ; P41.6@374.692,72.818 373.246,73.634 ; P41.6@374.781,73.001 373.246,73.634 ; v1@402.732,233.363 403.399,232.385 ; v1@403.292,233.564 403.399,232.385 ; 403.399,172.113 403.399,198.601 403.426,198.628 403.426,198.959 403.399,198.987 403.399,208.337 403.4,209.663 403.399,229.002 403.95,229.553 403.95,230.847 403.399,231.398 403.399,233.201 ; 403.4,169.972 403.4,172.112 ; v1(402.999,233.5) 403.399,232.385 ; v1(402.999,233.5) 403.399,233.201 ; v1(402.999,233.5) 403.399,233.201 ; v1(402.999,233.5) 403.1,233.5 403.399,233.201 ; 403.399,233.201 402.9,233.216 403.399,233.201 ; 403.399,233.201 403.243,233.675 403.399,233.201
  Bottom Layer w0.2: U4.16@397.9,233.675 399.694,233.675 399.919,233.45 402.081,233.45 402.106,233.475 402.975,233.475 v1(402.999,233.5) ; U4.16@398.725,233.675 399.5,233.675
NCS4: P41.7 U5.16 | length 193.7
  Top Layer w0.2: P41.7@371.519,75.541 373.054,76.174 ; P41.7@371.608,75.358 373.054,76.174 ; P41.7@371.717,75.19 373.054,76.174 ; P41.7@371.88,75 374.53,77.65 386.278,77.65 393.178,84.55 400.078,84.55 402.7,87.172 402.7,93.844 402.85,93.994 402.85,94.494 402.9,94.544 402.9,96.206 402.85,96.256 402.85,96.406 402.299,96.956 402.299,103.244 402.85,103.794 402.85,106.206 402.4,106.656 402.4,110.618 402.7,110.918 402.7,112.953 402.85,113.103 402.85,116.206 402.299,116.756 402.299,123.144 402.95,123.794 402.95,126.206 402.25,126.906 402.25,133.103 402.85,133.703 402.85,136.206 402.679,136.376 402.679,138.364 402.999,138.684 402.999,170.136 ; P41.7@372.07,74.837 373.054,76.174 ; P41.7@372.238,74.728 373.054,76.174 ; P41.7@372.421,74.639 373.054,76.174 ; v1@402.4,223.354 402.999,222.367 ; v1@402.971,223.521 402.999,222.367 ; 402.999,171.947 402.999,198.767 403.026,198.794 402.999,198.821 402.999,208.503 ; 402.999,209.497 402.999,210.716 402.9,210.816 402.9,211.699 402.999,211.798 402.999,223.151 v1(402.675,223.475) 402.999,222.367 ; 403,170.137 403,171.946 ; 403,208.503 403,209.497
  Bottom Layer w0.2: U5.16@397.9,223.675 399.694,223.675 399.919,223.45 402.081,223.45 402.106,223.475 v1(402.675,223.475) ; U5.16@398.725,223.675 399.5,223.675
NCS5: P41.8 U6.16 | length 187.4
  Top Layer w0.2: P41.8@371.339,72.099 370.706,73.634 ; P41.8@371.522,72.188 370.706,73.634 ; P41.8@371.69,72.297 370.706,73.634 ; P41.8@371.88,72.46 370.6,73.74 370.6,75.205 373.445,78.05 386.113,78.05 393.013,84.95 399.913,84.95 402.3,87.337 402.3,94.01 402.45,94.16 402.45,94.66 402.5,94.71 402.5,96.04 402.45,96.09 402.45,96.24 401.899,96.791 401.899,103.409 402.45,103.96 402.45,106.04 402,106.49 402,113.51 402.45,113.96 402.45,116.04 401.899,116.591 401.899,123.309 402.55,123.96 402.55,126.04 401.85,126.74 401.85,133.269 402.45,133.869 402.45,136.04 402.279,136.211 402.279,138.53 402.599,138.85 402.599,170.302 ; P41.8@372.043,72.65 370.706,73.634 ; P41.8@372.152,72.818 370.706,73.634 ; P41.8@372.241,73.001 370.706,73.634 ; v1@399.22,213.314 400.3,212.85 ; v1@399.585,213.783 400.3,212.85 ; 402.599,171.781 402.599,208.668 ; 402.599,209.332 402.599,210.551 399.578,213.572 v1(399.372,213.572) 400.3,212.85 ; 402.6,170.303 402.6,171.78 ; 402.6,208.669 402.6,209.331
  Bottom Layer w0.2: U6.16@397.9,213.675 v1@399.269,213.675 ; v1@399.259,213.295 U6.16@398.725,213.675 ; v1@399.35,213.871 U6.16@398.725,213.675 ; U6.16@398.725,213.675 v1(399.372,213.572) v1@399.269,213.675 ; U6.16@398.725,213.675 v1@399.269,213.675
NCS6: P41.9 U7.16 | length 169.8
  Top Layer w0.2: P41.9@368.979,75.541 370.514,76.174 ; P41.9@369.068,75.358 370.514,76.174 ; P41.9@369.177,75.19 370.514,76.174 ; P41.9@369.34,75 372.79,78.45 385.947,78.45 392.847,85.35 399.747,85.35 401.9,87.503 401.9,94.176 402.05,94.326 402.05,94.825 402.1,94.875 402.1,95.875 402.05,95.925 402.05,96.074 401.499,96.625 401.499,103.575 402.05,104.126 402.05,105.874 401.6,106.324 401.6,113.676 402.05,114.126 402.05,115.874 401.499,116.425 401.499,123.475 402.15,124.126 402.15,125.874 401.45,126.574 401.45,133.435 402.05,134.035 402.05,135.874 401.879,136.045 401.879,138.696 402.199,139.016 402.199,170.468 ; P41.9@369.53,74.837 370.514,76.174 ; P41.9@369.698,74.728 370.514,76.174 ; P41.9@369.881,74.639 370.514,76.174 ; v1@399.102,203.422 400.109,202.835 v1@399.522,203.843 ; v1(399.285,203.66) 402.199,200.745 402.199,171.616 ; 402.2,170.469 402.2,171.615
  Bottom Layer w0.2: v1(399.285,203.66) 399.3,203.675 v1@399.5,203.675
NCS7: P41.10 U8.16 | length 181
  Top Layer w0.2: P41.10@368.799,72.099 368.166,73.634 ; P41.10@368.982,72.188 368.166,73.634 ; P41.10@369.15,72.297 368.166,73.634 ; P41.10@369.34,72.46 368.1,73.7 368.1,75.6 371.35,78.85 385.781,78.85 392.681,85.75 399.581,85.75 401.5,87.669 401.5,92.931 400.281,94.15 400.126,94.15 399.95,94.326 399.95,96.074 401.05,97.174 401.05,100.825 399.95,101.925 399.95,105.874 401.05,106.974 401.05,113.026 399.95,114.126 399.95,116.197 401.05,117.297 401.05,120.703 399.95,121.803 399.95,126.197 401.05,127.297 401.05,130.703 399.95,131.803 399.95,133.939 399.5,134.389 399.5,135.424 399.95,135.874 400.126,136.05 401.479,137.404 ; P41.10@369.503,72.65 368.166,73.634 ; P41.10@369.612,72.818 368.166,73.634 ; P41.10@369.701,73.001 368.166,73.634 ; v1@399.188,193.343 400.243,192.857 ; v1@399.567,193.802 400.243,192.857 ; 401.479,137.6 401.479,137.404 ; 401.799,170.634 401.799,167.723 399.95,165.874 399.95,164.126 400.301,163.775 400.866,163.775 401.799,162.842 401.799,157.723 399.95,155.874 399.95,154.126 400.126,153.95 400.691,153.95 401.799,152.842 401.799,147.158 400.691,146.05 400.126,146.05 399.95,145.874 399.95,144.126 401.799,142.277 401.799,139.181 401.479,138.862 401.479,137.404 ; 401.799,171.45 401.799,172.101 399.95,173.95 399.95,175.874 400.376,176.3 400.654,176.3 401.799,177.445 401.799,182.277 399.95,184.126 399.95,185.874 401.799,187.723 401.799,191.301 399.503,193.597 v1(399.347,193.597) 400.243,192.857 ; 401.8,170.634 401.8,171.449
  Bottom Layer w0.2: U8.16@397.9,193.675 v1@399.269,193.675 ; v1@399.24,193.317 U8.16@398.725,193.675 ; v1@399.312,193.895 U8.16@398.725,193.675 ; U8.16@398.725,193.675 v1(399.347,193.597) v1@399.269,193.675 ; U8.16@398.725,193.675 v1@399.269,193.675
NCS8: P41.11 U9.16 | length 167.5
  Top Layer w0.2: v1(366.3,79.6) 368.8,82.1 368.818,82.1 369.819,83.1 384.292,83.1 391.192,90 394.63,90 396.95,92.32 396.95,94.869 397.5,95.419 397.5,97.55 396.95,98.1 396.95,129.874 397.126,130.05 397.126,132.521 396.899,132.747 396.899,134.652 397.3,135.053 397.3,136.053 399.479,138.232 399.479,139.69 399.799,140.01 399.799,140.59 399.289,141.1 399.157,141.1 397.369,142.888 397.369,144.547 397.55,144.727 397.55,145.847 400.1,148.397 400.1,150.189 399.539,150.75 398.553,150.75 397.769,151.534 397.769,154.296 398.35,154.877 398.35,155.971 400.599,158.221 400.599,162.169 400.194,162.575 398.769,162.575 398.125,163.219 398.125,165.181 400.999,168.055 400.999,171.036 399.061,172.975 398.885,172.975 398.475,173.385 398.475,173.965 399.3,174.79 399.3,175.79 400.21,176.7 400.488,176.7 401.399,177.611 401.399,181.545 v1(399.347,183.597) ; v1@399.164,183.36 400.171,182.773 v1@399.585,183.78
  Bottom Layer w0.2: v1@366,79.585 366.2,78.592 ; P41.11@366.158,74.899 366.2,76.726 ; P41.11@366.36,74.906 366.2,76.726 ; P41.11@366.559,74.934 366.2,76.726 ; v1@366.591,79.527 366.2,78.592 ; P41.11@367.03,75.098 366.2,76.726 ; P41.11@367.204,75.199 366.2,76.726 ; P41.11@367.366,75.319 366.2,76.726 ; U9.16@397.9,183.675 v1@399.269,183.675 ; v1@399.24,183.317 U9.16@398.725,183.675 ; v1@399.312,183.895 U9.16@398.725,183.675 ; 366.2,76.726 P41.11@366.8,75 366.2,75.6 366.2,79.7 v1(366.3,79.6) 366.2,78.592 ; U9.16@398.725,183.675 v1(399.347,183.597) v1@399.269,183.675 ; U9.16@398.725,183.675 v1@399.269,183.675
NCS9: P41.12 U12.16 | length 154.2
  Top Layer w0.2: v1(365.2,79.2) 365.71,79.2 ; v1@365.288,78.913 365.71,79.2 ; v1@365.288,79.487 365.71,79.2 ; 392,89.6 391.358,89.6 ; v1(399.175,173.675) 399.175,173.509 401.4,171.283 401.4,170.8 ; 401.399,170.799 401.399,167.889 398.525,165.015 398.525,163.385 398.935,162.975 400.535,162.975 400.999,162.511 400.999,158.055 398.75,155.806 398.75,154.711 398.169,154.131 398.169,153.219 400.5,150.889 400.5,148.231 397.95,145.681 397.95,144.562 397.769,144.381 397.769,143.054 399.323,141.5 399.455,141.5 400.199,140.755 400.199,139.844 399.879,139.524 399.879,138.066 397.7,135.887 397.7,134.888 397.299,134.487 397.299,132.913 397.95,132.262 397.95,130.974 399.05,129.874 399.05,128.126 397.95,127.026 397.95,120.974 399.05,119.874 399.05,118.126 397.95,117.026 397.95,110.974 399.05,109.874 399.05,107.803 397.95,106.703 397.95,100.974 399.05,99.874 399.05,98.126 397.9,96.976 397.9,95.253 397.35,94.703 397.35,92.154 394.796,89.6 391.358,89.6 ; 365.71,79.2 366.01,78.9 366.59,78.9 367,79.31 367,79.716 369.984,82.7 384.458,82.7 391.358,89.6
  Bottom Layer w0.2: v1@365.016,78.963 365.6,78.7 ; v1@365.472,79.327 365.6,78.7 ; 365.6,76.9 365.6,78.7 ; U12.16@397.9,173.675 v1(399.175,173.675) ; v1@399.074,173.392 U12.16@398.725,173.675 ; v1@399.074,173.958 U12.16@398.725,173.675 ; 365.6,78.7 v1(365.2,79.2) 365.2,79.1 365.6,78.7 ; U12.16@398.725,173.675 v1(399.175,173.675) ; U12.16@398.725,173.675 v1(399.175,173.675)
  Bottom Layer w0.3: 365.6,76.9 365.6,73.66 ; P41.12@366.307,72.117 365.6,73.66 ; P41.12@366.57,72.267 365.6,73.66 ; P41.12@366.8,72.46 365.6,73.66 ; P41.12@366.993,72.69 365.6,73.66 ; P41.12@367.143,72.953 365.6,73.66
NCS10: P41.13 U14.16 | length 134.9
  Top Layer w0.2: v1@364.051,78.639 364.599,78.5 ; v1(364.199,78.9) 364.599,78.5 ; v1@364.46,79.048 364.599,78.5 ; v1(399.225,163.675) 399.525,163.375 400.701,163.375 401.399,162.677 401.399,157.889 399.15,155.64 399.15,154.546 398.569,153.965 398.569,153.385 400.9,151.054 400.9,148.334 400.999,148.235 400.999,148.165 398.35,145.516 398.35,144.396 398.169,144.215 398.169,143.219 399.489,141.9 399.62,141.9 400.599,140.921 400.599,139.678 400.279,139.359 400.279,137.901 398.1,135.721 398.1,134.722 397.699,134.321 397.699,133.078 398.35,132.428 398.35,131.14 399.45,130.04 399.45,127.96 398.35,126.86 398.35,121.14 399.45,120.04 399.45,117.96 398.35,116.86 398.35,113.353 399.45,112.253 399.45,107.637 398.35,106.537 398.35,101.262 399.45,100.162 399.45,97.837 398.3,96.687 398.3,95.088 397.75,94.538 397.75,91.989 394.961,89.2 391.523,89.2 384.623,82.3 370.15,82.3 367.4,79.55 367.4,79.144 366.756,78.5 364.599,78.5
  Bottom Layer w0.2: v1@363.976,78.7 364.83,77.97 ; v1@364.468,79.034 364.83,77.97 ; 364.85,77 364.85,77.95 364.199,78.601 v1(364.199,78.9) 364.83,77.97 ; U14.16@397.9,163.675 v1(399.225,163.675) ; v1@399.135,163.389 U14.16@398.725,163.675 ; v1@399.135,163.961 U14.16@398.725,163.675 ; U14.16@398.725,163.675 v1(399.225,163.675) ; U14.16@398.725,163.675 v1(399.225,163.675)
  Bottom Layer w0.3: P41.13@364.26,75 364.26,75.699 364.85,76.289 364.85,77
NCS11: P41.14 U15.16 | length 141.1
  Top Layer w0.2: v1@362.05,76.666 362.6,77.221 ; v1@362.594,76.44 362.6,77.221 ; v1@399.086,153.437 400.094,152.851 v1@399.507,153.858 ; v1(399.269,153.675) 401.399,151.545 401.399,147.889 398.75,145.24 398.75,144.23 398.569,144.05 398.569,143.385 399.654,142.3 399.786,142.3 400.999,141.087 400.999,139.513 400.679,139.193 400.679,137.735 398.5,135.556 398.5,134.556 398.099,134.155 398.099,133.244 398.75,132.593 398.75,131.306 399.85,130.206 399.85,127.794 398.75,126.694 398.75,121.306 399.85,120.206 399.85,117.794 398.75,116.694 398.75,113.519 399.85,112.419 399.85,107.471 398.75,106.371 398.75,101.427 399.85,100.327 399.85,97.671 398.7,96.521 398.7,94.922 398.15,94.372 398.15,91.823 395.127,88.8 391.689,88.8 384.789,81.9 370.319,81.9 367.8,79.381 367.8,78.979 366.921,78.1 363.479,78.1 362.6,77.221 ; 362.6,77.221 v1(362.3,76.5) 362.6,76.8 362.6,77.221
  Bottom Layer w0.2: v1@362.122,76.258 363,75.8 ; v1(362.3,76.5) 363,75.8 ; v1@362.542,76.678 363,75.8 ; P41.14@363.719,72.099 363.086,73.634 ; P41.14@363.902,72.188 363.086,73.634 ; P41.14@364.07,72.297 363.086,73.634 ; P41.14@364.26,72.46 363,73.72 363,75.8 ; P41.14@364.423,72.65 363.086,73.634 ; P41.14@364.532,72.818 363.086,73.634 ; P41.14@364.621,73.001 363.086,73.634 ; U15.16@397.9,153.675 v1(399.269,153.675) ; v1@399.187,153.387 U15.16@398.725,153.675 ; v1@399.187,153.963 U15.16@398.725,153.675 ; v1@399.224,153.378 U15.16@398.269,153.675 ; v1@399.224,153.972 U15.16@398.269,153.675 ; U15.16@398.269,153.675 v1(399.269,153.675) ; U15.16@398.725,153.675 v1(399.269,153.675) ; U15.16@398.725,153.675 v1(399.269,153.675)
NCS12: P41.15 U16.16 | length 111.6
  Top Layer w0.2: P41.15@361.72,75 361.79,75 363,76.21 363,77.056 363.644,77.7 367.087,77.7 368.2,78.813 368.2,79.216 370.484,81.5 384.955,81.5 391.855,88.4 395.293,88.4 398.55,91.657 398.55,94.019 399.1,94.569 399.1,96.356 400.25,97.506 400.25,100.493 399.15,101.593 399.15,106.206 400.25,107.306 400.25,112.584 399.15,113.684 399.15,116.529 400.25,117.629 400.25,120.371 399.15,121.471 399.15,126.529 400.25,127.629 400.25,130.371 399.15,131.471 399.15,132.759 398.499,133.41 398.499,133.99 398.9,134.39 398.9,135.39 401.079,137.569 401.079,139.027 401.399,139.347 401.399,141.545 v1(399.269,143.675) ; v1@399.086,143.437 400.094,142.851 v1@399.507,143.858
  Bottom Layer w0.2: U16.16@397.9,143.675 v1(399.269,143.675) ; v1@399.187,143.387 U16.16@398.725,143.675 ; v1@399.187,143.963 U16.16@398.725,143.675 ; v1@399.224,143.378 U16.16@398.269,143.675 ; v1@399.224,143.972 U16.16@398.269,143.675 ; U16.16@398.269,143.675 v1(399.269,143.675) ; U16.16@398.725,143.675 v1(399.269,143.675) ; U16.16@398.725,143.675 v1(399.269,143.675)
NCS13: P41.16 U17.16 | length 108.6
  Top Layer w0.2: P41.16@361.359,73.001 362.894,73.634 ; P41.16@361.448,72.818 362.894,73.634 ; P41.16@361.557,72.65 362.894,73.634 ; P41.16@361.72,72.46 363,73.74 363,75.644 363.4,76.044 363.4,76.89 363.81,77.3 367.253,77.3 368.6,78.647 368.6,79.05 370.65,81.1 385.12,81.1 392.02,88 396.676,88 396.926,87.75 398.674,87.75 398.95,88.026 398.95,93.854 399.55,94.454 399.55,96.24 400.65,97.34 400.65,100.659 399.55,101.759 399.55,106.04 400.65,107.14 400.65,112.75 399.55,113.85 399.55,116.363 400.65,117.463 400.65,120.537 399.55,121.637 399.55,126.363 400.65,127.463 400.65,130.537 399.55,131.637 399.55,133.349 v1(399.199,133.7) ; P41.16@361.91,72.297 362.894,73.634 ; P41.16@362.078,72.188 362.894,73.634 ; P41.16@362.261,72.099 362.894,73.634
  Bottom Layer w0.2: U17.16@397.9,133.675 397.975,133.6 v1@399.099,133.6 ; v1@399.09,133.979 U17.16@398.725,133.675 ; v1@399.119,133.411 U17.16@398.725,133.675 ; U17.16@398.725,133.675 v1(399.199,133.7) v1@399.099,133.6 ; U17.16@398.725,133.675 v1@399.099,133.6
NCS14: P41.17 U18.16 | length 90.5
  Top Layer w0.2: P41.17@359.18,75 359.18,75.267 359.563,75.65 359.613,75.65 367,83.037 367,83.087 367.513,83.6 375.887,83.6 381.887,89.6 386.563,89.6 387.363,90.4 394.464,90.4 396.55,92.486 396.55,127.649 v1(396.199,128) 396.55,126.87 ; v1@395.926,127.875 396.55,126.87 ; v1@396.495,128.052 396.55,126.87
  Bottom Layer w0.2: v1(396.199,128) 396.4,128.2 396.4,127.791 396.55,127.641 396.55,124.178 396.878,123.85 ; U18.16@397.9,123.675 397.725,123.85 396.878,123.85 ; 396.878,123.85 397.075,123.675 396.878,123.85
NCS15: P41.18 U19.16 | length 96.1
  Top Layer w0.2: P41.18@358.639,72.099 358.006,73.634 ; P41.18@358.822,72.188 358.006,73.634 ; P41.18@358.99,72.297 358.006,73.634 ; P41.18@359.18,72.46 357.9,73.74 357.9,75.205 358.745,76.05 359.397,76.05 359.447,76.05 366.6,83.203 366.6,83.253 367.347,84 375.722,84 381.722,90 386.397,90 387.197,90.8 394.299,90.8 396.15,92.651 396.15,117.55 v1(395.8,117.9) 396.15,116.772 ; P41.18@359.343,72.65 358.006,73.634 ; P41.18@359.452,72.818 358.006,73.634 ; P41.18@359.541,73.001 358.006,73.634 ; v1@395.527,117.775 396.15,116.772 ; v1@396.095,117.952 396.15,116.772
  Bottom Layer w0.2: v1@395.618,117.662 396.6,117.1 ; v1(395.8,117.9) 396.6,117.1 ; v1@396.038,118.082 396.6,117.1 ; U19.16@397.9,113.675 397.725,113.85 396.878,113.85 ; 396.6,117.1 396.6,114.128 396.878,113.85 ; 396.878,113.85 397.075,113.675 396.878,113.85
NCS16: P41.19 U20.16 | length 81.8
  Top Layer w0.2: P41.19@356.279,75.541 357.814,76.174 ; P41.19@356.368,75.358 357.814,76.174 ; P41.19@356.477,75.19 357.814,76.174 ; P41.19@356.64,75 358.09,76.45 359.232,76.45 359.281,76.45 366.2,83.369 366.2,83.418 367.182,84.4 375.556,84.4 381.556,90.4 386.231,90.4 387.031,91.2 392.8,91.2 393.8,92.2 393.8,106.4 v1(395.4,108) ; P41.19@356.83,74.837 357.814,76.174 ; P41.19@356.998,74.728 357.814,76.174 ; P41.19@357.181,74.639 357.814,76.174 ; v1@395.162,108.183 394.576,107.176 v1@395.583,107.762
  Bottom Layer w0.2: v1@395.217,107.762 396.224,107.176 v1@395.638,108.183 ; v1(395.4,108) 396.6,106.8 396.6,104.128 396.878,103.85 ; U20.16@397.9,103.675 397.725,103.85 396.878,103.85 ; 396.878,103.85 397.075,103.675 396.878,103.85
NCS17: P41.20 U21.16 | length 84.7
  Top Layer w0.2: v1@364.059,76.897 365.179,76.9 ; v1@364.218,76.324 365.179,76.9 ; v1@399.39,93.649 399.35,92.492 ; v1@399.959,93.476 399.35,92.492 ; 365.179,76.9 v1(364.1,76.6) 364.4,76.9 367.418,76.9 369,78.482 369,78.85 370.85,80.7 385.286,80.7 392.186,87.6 396.51,87.6 396.76,87.35 398.84,87.35 399.35,87.86 399.35,93.264 v1(399.686,93.6) 399.35,92.492
  Bottom Layer w0.2: P41.20@356.279,73.001 357.814,73.634 ; P41.20@356.368,72.818 357.814,73.634 ; P41.20@356.477,72.65 357.814,73.634 ; P41.20@356.64,72.46 357.98,73.8 360.1,73.8 360.5,74.2 360.5,75.8 361.9,77.2 363.5,77.2 ; P41.20@356.83,72.297 357.814,73.634 ; P41.20@356.998,72.188 357.814,73.634 ; P41.20@357.181,72.099 357.814,73.634 ; v1@363.854,76.429 363.5,77.2 ; v1@364.271,76.846 363.5,77.2 ; U21.16@397.9,93.675 399.611,93.675 v1(399.686,93.6) ; v1@399.5,93.675 U21.16@398.725,93.675 ; v1@399.616,93.308 U21.16@398.725,93.675 ; v1@399.619,93.307 U21.16@398.681,93.675 ; v1@399.663,93.899 U21.16@398.725,93.675 ; v1@399.664,93.899 U21.16@398.681,93.675 ; 363.5,77.2 v1(364.1,76.6) 363.5,77.2 ; U21.16@398.681,93.675 v1(399.686,93.6) ; U21.16@398.725,93.675 v1(399.686,93.6)
NetC1_2: C1.2 R145.1 U1.19 | length 36.6
  Bottom Layer w0.3: U1.19@397.9,261.725 399.125,261.725 ; U1.19@398.725,261.725 399.125,261.725 ; R145.1@399.574,259.36 C1.2@400.3,260.8 ; R145.1@399.855,259.25 C1.2@400.3,260.8 ; C1.2@400.05,260.758 R145.1@400.132,259.457 ; C1.2@400.051,260.726 R145.1@400.3,259.45 ; C1.2@400.052,260.718 R145.1@400.342,259.45 ; C1.2@400.055,260.798 R145.1@399.922,259.485 ; C1.2@400.063,260.671 R145.1@400.595,259.471 ; C1.2@400.069,260.845 R145.1@399.668,259.546 ; R145.1@400.35,259.188 C1.2@400.3,260.8 ; C1.2@400.51,260.614 R145.1@399.668,259.546 ; C1.2@400.532,260.656 R145.1@399.922,259.485 ; C1.2@400.544,260.694 R145.1@400.132,259.457 ; C1.2@400.548,260.783 R145.1@400.595,259.471 ; C1.2@400.549,260.726 R145.1@400.3,259.45 ; C1.2@400.549,260.734 R145.1@400.342,259.45 ; R145.1@400.649,259.226 C1.2@400.3,260.8 ; 399.125,261.725 400.05,260.8 C1.2@400.3,260.8 ; R145.1@399.668,259.546 C1.2@400.3,260.75 ; R145.1@399.922,259.485 C1.2@400.3,260.75 ; R145.1@400.132,259.457 C1.2@400.3,260.75 ; R145.1@400.3,259.45 C1.2@400.3,260.75 ; C1.2@400.3,260.75 R145.1@400.342,259.45 ; C1.2@400.3,260.75 R145.1@400.595,259.471 ; C1.2@400.3,260.8 R145.1@400.1,259.2 400.3,259.4 C1.2@400.3,260.8